# KiCad board manila_ice.kicad_pcb (continued)
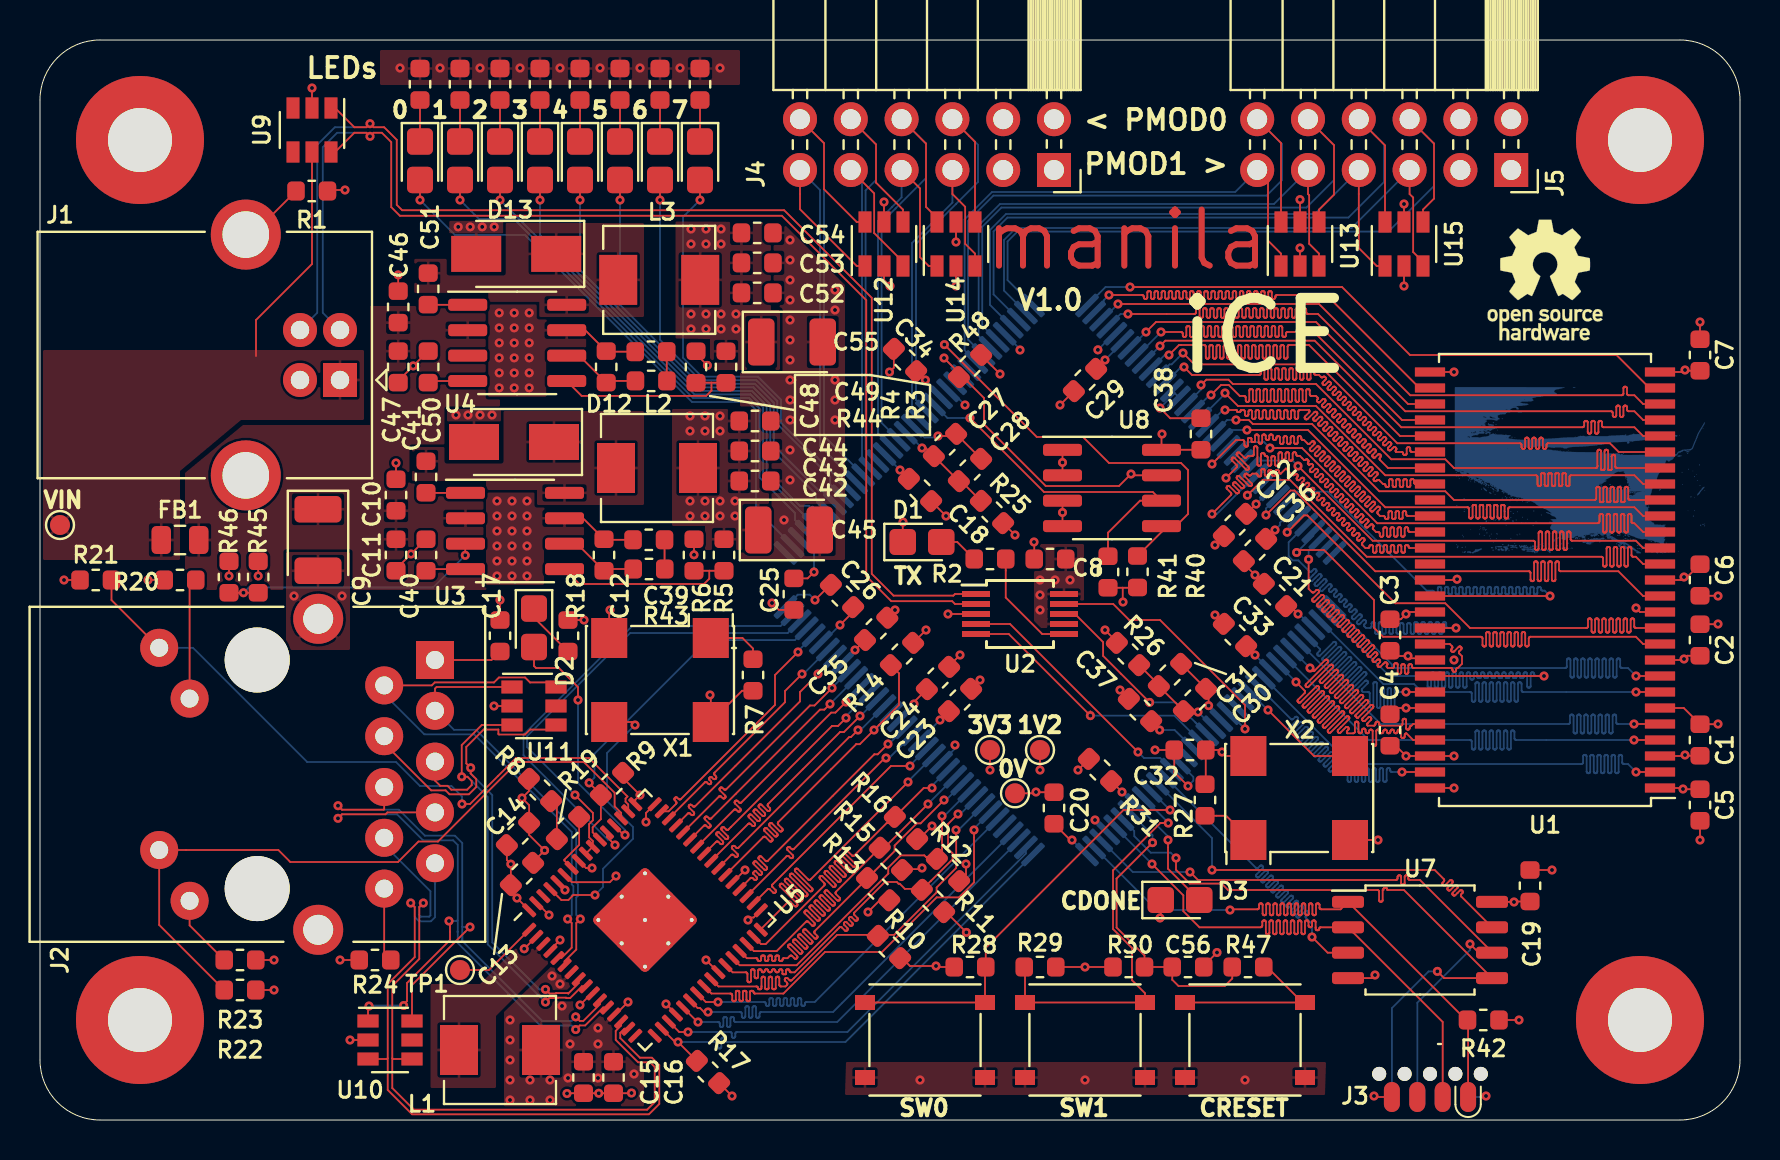
[diagram p0: board, top side]
## Routing (per net, layer and track width the routed paths; a pad name or vN(x,y) marks a point on that pad's centre or on a via; arc(x,y) is an arc through that point) (continued)
  Bottom w0.089: v1(58.6,12.5) 58.6,14.1 U6.62
/FPGA/RAM_UDQM: length 31.6
  Top w0.089: U1.39 68.5,28.6 68.48,28.6 68.47,28.61 68.46,28.62 68.44,28.63 68.44,28.64 68.43,28.66 68.43,28.69 68.42,28.7 68.41,28.72 68.4,28.73 68.39,28.74 68.37,28.74 68.36,28.74 68.32,28.74 68.31,28.74 68.29,28.74 68.28,28.73 68.27,28.72 68.26,28.7 68.25,28.69 68.25,28.67 68.25,28.6 68.25,28.6 68.25,28.45 68.24,28.43 68.24,28.41 68.23,28.39 68.21,28.38 68.2,28.37 68.18,28.36 68.16,28.36 68.14,28.36 68.12,28.37 68.1,28.38 68.09,28.39 68.08,28.41 68.07,28.43 68.07,28.45 68.07,28.67 68.07,28.69 68.06,28.7 68.05,28.72 68.04,28.73 68.03,28.74 68.01,28.74 68,28.74 67.96,28.74 67.95,28.74 67.93,28.74 67.92,28.73 67.91,28.72 67.9,28.7 67.89,28.69 67.89,28.67 67.89,28.45 67.89,28.43 67.88,28.41 67.87,28.39 67.86,28.38 67.84,28.37 67.82,28.36 67.8,28.36 67.78,28.36 67.76,28.37 67.75,28.38 67.73,28.39 67.72,28.41 67.72,28.43 67.71,28.45 67.71,28.67 67.71,28.69 67.71,28.7 67.7,28.72 67.69,28.73 67.67,28.74 67.66,28.74 67.64,28.74 67.61,28.74 67.59,28.74 67.58,28.74 67.56,28.73 67.55,28.72 67.54,28.7 67.54,28.69 67.54,28.67 67.54,28.45 67.53,28.43 67.53,28.41 67.52,28.39 67.5,28.38 67.49,28.37 67.47,28.36 67.45,28.36 67.43,28.36 67.41,28.37 67.39,28.38 67.38,28.39 67.37,28.41 67.36,28.43 67.36,28.45 67.36,28.67 67.36,28.69 67.35,28.7 67.34,28.72 67.33,28.73 67.32,28.74 67.3,28.74 67.29,28.74 67.25,28.74 67.24,28.74 67.22,28.74 67.21,28.73 67.2,28.72 67.19,28.7 67.18,28.69 67.18,28.67 67.18,28.45 67.18,28.43 67.17,28.41 67.16,28.39 67.15,28.38 67.13,28.37 67.11,28.36 67.09,28.36 67.07,28.36 67.05,28.37 67.04,28.38 67.02,28.39 67.01,28.41 67,28.43 67,28.45 67,28.67 67,28.69 67,28.7 66.99,28.72 66.98,28.73 66.96,28.74 66.95,28.74 66.93,28.74 66.9,28.74 66.88,28.74 66.87,28.74 66.85,28.73 66.84,28.72 66.83,28.7 66.83,28.69 66.82,28.67 66.82,28.45 66.82,28.43 66.82,28.41 66.81,28.39 66.79,28.38 66.77,28.37 66.76,28.36 66.74,28.36 66.72,28.36 66.7,28.37 66.68,28.38 66.67,28.39 66.66,28.41 66.65,28.43 66.65,28.45 66.65,28.67 66.65,28.69 66.64,28.7 66.63,28.72 66.62,28.73 66.61,28.74 66.59,28.74 66.58,28.74 66.54,28.74 66.52,28.74 66.51,28.74 66.5,28.73 66.48,28.72 66.48,28.7 66.47,28.69 66.47,28.66 66.46,28.64 66.45,28.63 66.44,28.62 66.43,28.61 66.41,28.6 66.4,28.6 66.27,28.6 66.12,28.74 66.11,28.76 66.1,28.77 66.1,28.79 66.1,28.81 66.1,28.83 66.11,28.85 66.12,28.87 66.21,28.95 66.22,28.96 66.23,28.98 66.23,29 66.23,29.02 66.23,29.04 66.22,29.06 66.21,29.07 66.19,29.09 66.17,29.1 66.15,29.1 66.13,29.1 66.11,29.1 66.1,29.09 66.08,29.07 66,28.99 65.98,28.98 65.97,28.97 65.95,28.97 65.93,28.97 65.91,28.97 65.89,28.98 65.87,28.99 65.86,29.01 65.85,29.03 65.85,29.05 65.85,29.07 65.85,29.09 65.86,29.1 65.87,29.12 65.95,29.2 65.97,29.22 65.98,29.23 65.98,29.25 65.98,29.27 65.98,29.29 65.97,29.31 65.95,29.33 65.94,29.34 65.92,29.35 65.9,29.35 65.88,29.35 65.86,29.35 65.84,29.34 65.83,29.33 65.75,29.24 65.73,29.23 65.71,29.22 65.69,29.22 65.67,29.22 65.66,29.22 65.64,29.23 65.62,29.24 65.61,29.26 65.6,29.28 65.6,29.3 65.6,29.32 65.6,29.34 65.61,29.35 65.62,29.37 65.7,29.45 65.72,29.47 65.72,29.48 65.73,29.5 65.73,29.52 65.72,29.54 65.72,29.56 65.7,29.58 65.69,29.59 65.67,29.6 65.65,29.6 65.63,29.6 65.61,29.6 65.59,29.59 65.58,29.58 65.5,29.5 65.48,29.48 65.46,29.47 65.44,29.47 65.42,29.47 65.4,29.47 65.39,29.48 65.37,29.5 65.36,29.51 65.35,29.53 65.34,29.55 65.34,29.57 65.35,29.59 65.36,29.61 65.37,29.62 65.45,29.7 65.46,29.72 65.47,29.74 65.48,29.76 65.48,29.78 65.47,29.79 65.46,29.81 65.45,29.83 65.44,29.84 65.42,29.85 65.4,29.85 65.38,29.85 65.36,29.85 65.34,29.84 65.33,29.83 65.24,29.75 65.23,29.73 65.21,29.73 65.19,29.72 65.17,29.72 65.15,29.73 65.13,29.73 65.12,29.75 65.11,29.76 65.1,29.78 65.09,29.8 65.09,29.82 65.1,29.84 65.11,29.86 65.12,29.87 65.2,29.95 65.21,29.97 65.22,29.99 65.23,30.01 65.23,30.03 65.22,30.05 65.21,30.06 65.2,30.08 65.18,30.09 65.17,30.1 65.15,30.11 65.13,30.11 65.11,30.1 65.09,30.09 65.07,30.08 64.99,30 64.98,29.99 64.96,29.98 64.94,29.97 64.92,29.97 64.9,29.98 64.88,29.99 64.87,30 64.85,30.01 64.85,30.03 64.84,30.05 64.84,30.07 64.85,30.09 64.85,30.11 64.87,30.12 64.95,30.21 64.96,30.22 64.97,30.24 64.97,30.26 64.97,30.28 64.97,30.3 64.96,30.32 64.95,30.33 64.93,30.34 64.92,30.35 64.9,30.36 64.88,30.36 64.86,30.35 64.84,30.34 64.82,30.33 64.74,30.25 64.73,30.24 64.71,30.23 64.69,30.22 64.67,30.22 64.65,30.23 64.63,30.24 64.62,30.25 64.6,30.27 64.59,30.28 64.59,30.3 64.59,30.32 64.59,30.34 64.6,30.36 64.62,30.38 64.7,30.46 64.71,30.47 64.72,30.49 64.72,30.51 64.72,30.53 64.72,30.55 64.71,30.57 64.7,30.58 64.68,30.6 64.66,30.6 64.64,30.61 64.62,30.61 64.6,30.6 64.59,30.6 64.57,30.58 64.49,30.5 64.47,30.49 64.46,30.48 64.44,30.48 64.42,30.48 64.4,30.48 64.38,30.49 64.36,30.5 64.35,30.52 64.34,30.54 64.34,30.55 64.34,30.57 64.34,30.59 64.35,30.61 64.36,30.63 64.45,30.71 64.46,30.72 64.47,30.74 64.47,30.76 64.47,30.78 64.47,30.8 64.46,30.82 64.45,30.83 64.43,30.85 64.41,30.86 64.39,30.86 64.37,30.86 64.35,30.86 64.34,30.85 64.32,30.83 64.24,30.75 64.22,30.74 64.21,30.73 64.19,30.73 64.17,30.73 64.15,30.73 64.13,30.74 64.11,30.75 64.1,30.77 64.09,30.79 64.09,30.81 64.09,30.83 64.09,30.85 64.1,30.86 64.11,30.88 64.19,30.96 64.21,30.98 64.22,30.99 64.22,31.01 64.22,31.03 64.22,31.05 64.21,31.07 64.19,31.09 64.18,31.1 64.16,31.11 64.14,31.11 64.12,31.11 64.1,31.11 64.08,31.1 64.07,31.09 63.99,31 63.97,30.99 63.95,30.98 63.93,30.98 63.91,30.98 63.9,30.98 63.88,30.99 63.86,31 63.85,31.02 63.84,31.04 63.84,31.06 63.84,31.08 63.84,31.1 63.85,31.11 63.86,31.13 63.94,31.21 63.96,31.23 63.96,31.24 63.97,31.26 63.97,31.28 63.96,31.3 63.96,31.32 63.94,31.34 63.93,31.35 63.91,31.36 63.89,31.36 63.87,31.36 63.85,31.36 63.83,31.35 63.82,31.34 63.74,31.26 63.72,31.24 63.7,31.23 63.68,31.23 63.66,31.23 63.64,31.23 63.63,31.24 63.61,31.26 63.6,31.27 63.59,31.29 63.58,31.31 63.58,31.33 63.59,31.35 63.6,31.37 63.61,31.38 63.69,31.46 63.7,31.48 63.71,31.5 63.72,31.52 63.72,31.54 63.71,31.55 63.7,31.57 63.69,31.59 63.68,31.6 63.66,31.61 63.64,31.61 63.62,31.61 63.6,31.61 63.58,31.6 63.57,31.59 63.48,31.51 63.47,31.49 63.45,31.49 63.43,31.48 63.41,31.48 63.39,31.49 63.37,31.49 63.36,31.51 63.35,31.52 63.34,31.54 63.33,31.56 63.33,31.58 63.34,31.6 63.35,31.62 63.36,31.63 63.44,31.71 63.45,31.73 63.46,31.75 63.47,31.77 63.47,31.79 63.46,31.81 63.45,31.82 63.44,31.84 63.42,31.85 63.41,31.86 63.39,31.87 63.37,31.87 63.35,31.86 63.33,31.85 63.31,31.84 63.23,31.76 63.22,31.75 63.2,31.74 63.18,31.73 63.16,31.73 63.14,31.74 63.12,31.75 63.11,31.76 63.09,31.77 63.09,31.79 63.08,31.81 63.08,31.83 63.09,31.85 63.09,31.87 63.11,31.88 63.19,31.97 63.2,31.98 63.21,32 63.21,32.02 63.21,32.04 63.21,32.06 63.2,32.08 63.19,32.09 63.17,32.1 63.15,32.11 63.14,32.12 63.12,32.12 63.1,32.11 63.08,32.1 63.06,32.09 62.98,32.01 62.97,32 62.95,31.99 62.93,31.98 62.91,31.98 62.89,31.99 62.87,32 62.86,32.01 62.84,32.03 62.83,32.04 62.83,32.06 62.83,32.08 62.83,32.1 62.84,32.12 62.86,32.14 62.87,32.15 62.88,32.16 62.89,32.18 62.89,32.2 62.89,32.22 62.89,32.24 62.88,32.26 62.87,32.27 62.85,32.28 62.83,32.29 62.81,32.3 62.79,32.3 62.77,32.29 62.76,32.28 62.74,32.27 62.73,32.26 62.71,32.25 62.7,32.24 62.68,32.24 62.66,32.24 62.64,32.24 62.62,32.25 62.6,32.26 62.29,32.57 62.04,32.32 62.02,32.32 62,32.33 61.98,32.34 61.97,32.35 61.96,32.37 61.95,32.39 61.95,32.41 61.95,32.42 61.95,32.44 61.94,32.46 61.93,32.48 61.92,32.49 61.9,32.5 61.88,32.51 61.86,32.51 61.84,32.51 61.82,32.5 61.8,32.49 61.79,32.48 61.78,32.46 61.77,32.44 61.77,32.42 61.77,32.27 61.77,32.26 61.77,32.25 61.76,32.24 61.75,32.23 61.74,32.22 61.73,32.22 61.72,32.22 61.64,32.22 61.63,32.22 61.62,32.22 61.61,32.23 61.6,32.24 61.6,32.25 61.59,32.26 61.59,32.27 61.59,32.42 61.59,32.44 61.58,32.46 61.57,32.48 61.56,32.49 61.54,32.5 61.52,32.51 61.5,32.51 61.48,32.51 61.47,32.5 61.45,32.49 61.43,32.48 61.42,32.46 61.42,32.44 61.42,32.42 61.42,32.27 61.41,32.26 61.41,32.25 61.4,32.24 61.4,32.23 61.39,32.22 61.38,32.22 61.37,32.22 61.29,32.22 61.28,32.22 61.27,32.22 61.26,32.23 61.25,32.24 61.24,32.25 61.24,32.26 61.24,32.27 61.24,32.47 61.24,32.49 61.23,32.51 61.22,32.53 61.2,32.54 61.19,32.55 61.17,32.56 61.15,32.56 61.13,32.56 61.11,32.55 61.09,32.54 61.08,32.53 61.07,32.51 61.06,32.49 61.06,32.47 61.06,32.25 61.06,32.23 61.05,32.22 61.04,32.2 61.03,32.19 61.02,32.18 61,32.18 60.99,32.18 60.95,32.18 60.94,32.18 60.92,32.18 60.91,32.19 60.9,32.2 60.89,32.22 60.88,32.23 60.88,32.26 60.88,32.28 60.87,32.29 60.86,32.3 60.84,32.31 60.83,32.32 60.81,32.32 60.62,32.32 60.55,32.25 60.53,32.23 60.51,32.23 60.49,32.22 60.47,32.22 60.45,32.23 60.44,32.23 60.42,32.25 60.38,32.29 60.36,32.31 60.34,32.31 60.32,32.32 60.3,32.32 60.28,32.31 60.27,32.31 60.25,32.29 60.24,32.28 60.23,32.26 60.22,32.24 60.22,32.22 60.23,32.2 60.24,32.18 60.25,32.17 60.57,31.84 60.59,31.83 60.59,31.81 60.6,31.79 60.6,31.77 60.59,31.75 60.59,31.73 60.57,31.72 60.56,31.71 60.54,31.7 60.52,31.69 60.5,31.69 60.48,31.7 60.46,31.71 60.45,31.72 59.98,32.18 59.97,32.2 59.95,32.2 59.93,32.21 59.91,32.21 59.89,32.2 59.87,32.2 59.86,32.18 59.84,32.17 59.84,32.15 59.83,32.13 59.83,32.11 59.84,32.09 59.84,32.07 59.86,32.06 60.18,31.73 60.19,31.72 60.2,31.7 60.21,31.68 60.21,31.66 60.2,31.64 60.19,31.62 60.18,31.61 60.16,31.6 60.15,31.59 60.13,31.58 60.11,31.58 60.09,31.59 60.07,31.6 60.05,31.61 59.8,31.86 59.79,31.87 59.77,31.88 59.75,31.89 59.73,31.89 59.71,31.88 59.69,31.87 59.68,31.86 59.66,31.85 59.66,31.83 59.65,31.81 59.65,31.79 59.66,31.77 59.66,31.75 59.68,31.73 59.93,31.48 59.94,31.47 59.95,31.45 59.95,31.43 59.95,31.41 59.95,31.39 59.94,31.37 59.93,31.36 59.91,31.34 59.9,31.34 59.88,31.33 59.86,31.33 59.84,31.34 59.82,31.34 59.8,31.36 59.48,31.68 59.46,31.69 59.45,31.7 59.43,31.71 59.41,31.71 59.39,31.7 59.37,31.69 59.35,31.68 59.34,31.66 59.33,31.65 59.33,31.63 59.33,31.61 59.33,31.59 59.34,31.57 59.35,31.55 59.54,31.37 59.55,31.35 59.56,31.33 59.57,31.31 59.57,31.29 59.56,31.27 59.55,31.26 59.54,31.24 v1(58.6,30.3)
  Bottom w0.089: v1(58.6,30.3) 58.84,30.3 60.19,31.65 60.25,31.65 U6.25 61.21,32.62
/FPGA/SCK: length 33.2
  Top w0.089: v1(71.5,8.8) 71.94,8.36 U7.6 ; U7.6 72.6,8.4 69,12 68.5,12 68.48,12 68.46,12.01 68.44,12.02 68.43,12.03 68.42,12.05 68.41,12.07 68.41,12.09 68.41,12.15 68.41,12.17 68.4,12.19 68.39,12.2 68.38,12.22 68.36,12.23 68.34,12.23 68.32,12.24 68.3,12.23 68.28,12.23 68.27,12.22 68.25,12.2 68.24,12.19 68.24,12.17 68.23,12.15 68.23,11.85 68.23,11.83 68.22,11.81 68.21,11.8 68.2,11.78 68.18,11.77 68.16,11.77 68.14,11.76 68.12,11.77 68.11,11.77 68.09,11.78 68.07,11.8 68.06,11.81 68.06,11.83 68.06,11.85 68.06,12.15 68.05,12.17 68.05,12.19 68.04,12.2 68.02,12.22 68.01,12.23 67.99,12.23 67.97,12.24 67.95,12.23 67.93,12.23 67.91,12.22 67.9,12.2 67.89,12.19 67.88,12.17 67.88,12.15 67.88,12.09 67.88,12.07 67.87,12.05 67.86,12.03 67.84,12.02 67.83,12.01 67.81,12 67.79,12 57.9,12 v1(57.5,12.4) ; U7.6 72.48,8.25
  Bottom w0.089: v1(71.5,8.8) 71.5,8.5 68.86,5.86 68.86,1.15 ; v1(57.5,12.4) 54.64,12.4 U6.70
/FPGA/UART_CTS: length 13.6
  Top w0.089: 52.52,20.43 v1(52.52,20.22) 48.44,24.3 U2.5
  Bottom w0.089: v1(52.52,20.22) 56.72,20.22 U6.56
/FPGA/UART_RX: length 10.9
  Top w0.089: v1(55.48,20.88) 53.16,23.21 53.16,23.89 51.75,25.3 U2.8
  Bottom w0.089: v1(55.48,20.88) 56.77,20.88 U6.55 57.77,19.88
/FPGA/~{CRESET}: length 15.6
  Top w0.089: 55.5,14 55.63,13.87 v1(55.63,13.87) 53.83,12.07 53.83,9.62 55.23,8.22 R30.2 C56.1 56.61,7.01 56.92,6.7 59.24,6.7 59.61,7.08 R47.1
  Bottom w0.089: v1(55.63,13.87) 55.63,14.24 U6.66
/FPGA/~{CS}: length 35.2
  Top w0.089: v1(59.5,10.5) 59.53,10.53 60.87,10.53 60.89,10.54 60.9,10.54 60.92,10.55 60.93,10.57 60.95,10.58 60.95,10.6 60.95,10.62 60.95,10.75 60.96,10.77 60.96,10.78 60.97,10.8 60.99,10.81 61,10.83 61.02,10.83 61.04,10.83 61.06,10.83 61.08,10.83 61.1,10.81 61.11,10.8 61.12,10.78 61.13,10.77 61.13,10.75 61.13,10.32 61.13,10.3 61.14,10.28 61.15,10.27 61.17,10.25 61.18,10.24 61.2,10.24 61.22,10.23 61.24,10.24 61.26,10.24 61.28,10.25 61.29,10.27 61.3,10.28 61.31,10.3 61.31,10.32 61.31,10.75 61.31,10.77 61.32,10.78 61.33,10.8 61.34,10.81 61.36,10.83 61.38,10.83 61.4,10.83 61.42,10.83 61.44,10.83 61.45,10.81 61.47,10.8 61.48,10.78 61.49,10.77 61.49,10.75 61.49,10.32 61.49,10.3 61.5,10.28 61.51,10.27 61.52,10.25 61.54,10.24 61.56,10.24 61.58,10.23 61.6,10.24 61.62,10.24 61.63,10.25 61.65,10.27 61.66,10.28 61.66,10.3 61.67,10.32 61.67,10.75 61.67,10.77 61.67,10.78 61.68,10.8 61.7,10.81 61.72,10.83 61.73,10.83 61.75,10.83 61.77,10.83 61.79,10.83 61.81,10.81 61.82,10.8 61.83,10.78 61.84,10.77 61.84,10.75 61.84,10.32 61.85,10.3 61.85,10.28 61.86,10.27 61.88,10.25 61.89,10.24 61.91,10.24 61.93,10.23 61.95,10.24 61.97,10.24 61.99,10.25 62,10.27 62.01,10.28 62.02,10.3 62.02,10.32 62.02,10.75 62.02,10.77 62.03,10.78 62.04,10.8 62.05,10.81 62.07,10.83 62.09,10.83 62.11,10.83 62.13,10.83 62.15,10.83 62.17,10.81 62.18,10.8 62.19,10.78 62.2,10.77 62.2,10.75 62.2,10.32 62.2,10.3 62.21,10.28 62.22,10.27 62.23,10.25 62.25,10.24 62.27,10.24 62.29,10.23 62.31,10.24 62.33,10.24 62.34,10.25 62.36,10.27 62.37,10.28 62.37,10.3 62.38,10.32 62.38,10.75 62.38,10.77 62.39,10.78 62.4,10.8 62.41,10.81 62.43,10.83 62.45,10.83 62.47,10.83 62.49,10.83 62.5,10.83 62.52,10.81 62.54,10.8 62.55,10.78 62.55,10.77 62.55,10.75 62.55,10.32 62.56,10.3 62.56,10.28 62.57,10.27 62.59,10.25 62.6,10.24 62.62,10.24 62.64,10.23 62.66,10.24 62.68,10.24 62.7,10.25 62.71,10.27 62.72,10.28 62.73,10.3 62.73,10.32 62.73,10.75 62.73,10.77 62.74,10.78 62.75,10.8 62.77,10.81 62.78,10.83 62.8,10.83 62.82,10.83 62.84,10.83 62.86,10.83 62.88,10.81 62.89,10.8 62.9,10.78 62.91,10.77 62.91,10.75 62.91,10.32 62.91,10.3 62.92,10.28 62.93,10.27 62.94,10.25 62.96,10.24 62.98,10.24 63,10.23 63.02,10.24 63.04,10.24 63.05,10.25 63.07,10.27 63.08,10.28 63.09,10.3 63.09,10.32 63.09,10.75 63.09,10.77 63.1,10.78 63.11,10.8 63.12,10.81 63.14,10.83 63.16,10.83 63.18,10.83 63.2,10.83 63.22,10.83 63.23,10.81 63.25,10.8 63.26,10.78 63.26,10.77 63.27,10.75 63.27,10.32 63.27,10.3 63.27,10.28 63.29,10.27 63.3,10.25 63.32,10.24 63.33,10.24 63.35,10.23 63.37,10.24 63.39,10.24 63.41,10.25 63.42,10.27 63.43,10.28 63.44,10.3 63.44,10.32 63.44,10.75 63.45,10.77 63.45,10.78 63.46,10.8 63.48,10.81 63.49,10.83 63.51,10.83 63.53,10.83 63.55,10.83 63.57,10.83 63.59,10.81 63.6,10.8 63.61,10.78 63.62,10.77 63.62,10.75 63.62,10.32 63.62,10.3 63.63,10.28 63.64,10.27 63.65,10.25 63.67,10.24 63.69,10.24 63.71,10.23 63.73,10.24 63.75,10.24 63.77,10.25 63.78,10.27 63.79,10.28 63.8,10.3 63.8,10.32 63.8,10.75 63.8,10.77 63.81,10.78 63.82,10.8 63.83,10.81 63.85,10.83 63.87,10.83 63.89,10.83 63.91,10.83 63.93,10.83 63.94,10.81 63.96,10.8 63.97,10.78 63.97,10.77 63.98,10.75 63.98,10.62 63.98,10.6 63.99,10.58 64,10.57 64.01,10.55 64.03,10.54 64.05,10.54 64.07,10.53 65.03,10.53 U7.1 71.41,4.9 J3.1
  Bottom w0.089: v1(59.5,10.5) 55.83,10.5 U6.71
/FPGA/~{ETH_PHYRST}: length 18.8
  Top w0.089: R14.1 42.95,22.34 42.95,20.75 v1(41.7,19.5) 40.99,18.79 40.81,18.79 36.91,14.9 36.9,14.88 36.89,14.86 36.89,14.84 36.89,14.82 36.89,14.8 36.9,14.79 36.91,14.77 37.11,14.58 37.12,14.56 37.13,14.54 37.13,14.52 37.13,14.5 37.13,14.48 37.12,14.47 37.11,14.45 37.09,14.44 37.07,14.43 37.05,14.42 37.03,14.42 37.01,14.43 37,14.44 36.98,14.45 36.61,14.82 36.59,14.83 36.58,14.84 36.56,14.85 36.54,14.85 36.52,14.84 36.5,14.83 36.48,14.82 36.47,14.81 36.46,14.79 36.46,14.77 36.46,14.75 36.46,14.73 36.47,14.71 36.48,14.7 36.86,14.32 36.87,14.31 36.88,14.29 36.88,14.27 36.88,14.25 36.88,14.23 36.87,14.21 36.86,14.2 36.84,14.19 36.82,14.18 36.8,14.17 36.78,14.17 36.76,14.18 36.75,14.19 36.73,14.2 36.36,14.57 36.34,14.58 36.32,14.59 36.31,14.6 36.29,14.6 36.27,14.59 36.25,14.58 36.23,14.57 36.22,14.55 36.21,14.54 36.21,14.52 36.21,14.5 36.21,14.48 36.22,14.46 36.23,14.44 36.6,14.07 36.62,14.06 36.63,14.04 36.63,14.02 36.63,14 36.63,13.98 36.62,13.96 36.6,13.95 36.59,13.94 36.57,13.93 36.55,13.92 36.53,13.92 36.51,13.93 36.49,13.94 36.48,13.95 36.28,14.14 36.27,14.15 36.25,14.16 36.23,14.17 36.21,14.17 36.19,14.16 36.17,14.15 36.16,14.14 U5.38
  Bottom w0.089: U6.93 41.73,19.5 v1(41.7,19.5)
/FPGA/~{ETH_PME_INT}: length 23.6
  Top w0.089: v1(26.75,16.25) 27.64,15.36 27.64,14.98 27.46,14.8 27.46,14.13 27.64,13.94 U5.55 U5.56
  Bottom w0.089: U6.106 37.39,24.35 29.51,24.35 24.35,19.19 24.35,18.65 v1(26.75,16.25)
/FPGA/~{RAM_RAS}: length 31.6
  Top w0.089: v1(60.35,34.5) 63.4,34.5 67.26,30.64 71.36,30.64 71.38,30.64 71.4,30.63 71.42,30.62 71.43,30.6 71.44,30.59 71.45,30.57 71.45,30.55 71.45,30.16 71.45,30.14 71.46,30.12 71.47,30.11 71.48,30.09 71.5,30.08 71.52,30.07 71.54,30.07 71.56,30.07 71.58,30.08 71.6,30.09 71.61,30.11 71.62,30.12 71.63,30.14 71.63,30.16 71.63,30.7 71.63,30.71 71.63,30.72 71.64,30.73 71.65,30.74 71.66,30.75 71.67,30.75 71.69,30.75 71.75,30.75 71.76,30.75 71.77,30.75 71.79,30.74 71.79,30.73 71.8,30.72 71.81,30.71 71.81,30.7 71.81,30.16 71.81,30.14 71.82,30.12 71.83,30.11 71.84,30.09 71.86,30.08 71.88,30.07 71.9,30.07 71.92,30.07 71.93,30.08 71.95,30.09 71.97,30.11 71.98,30.12 71.98,30.14 71.98,30.16 71.98,30.7 71.99,30.71 71.99,30.72 72,30.73 72.01,30.74 72.02,30.75 72.03,30.75 72.04,30.75 72.1,30.75 72.12,30.75 72.13,30.75 72.14,30.74 72.15,30.73 72.16,30.72 72.16,30.71 72.16,30.7 72.16,30.16 72.16,30.14 72.17,30.12 72.18,30.11 72.2,30.09 72.21,30.08 72.23,30.07 72.25,30.07 72.27,30.07 72.29,30.08 72.31,30.09 72.32,30.11 72.33,30.12 72.34,30.14 72.34,30.16 72.34,30.7 72.34,30.71 72.35,30.72 72.35,30.73 72.36,30.74 72.37,30.75 72.39,30.75 72.4,30.75 72.46,30.75 72.47,30.75 72.49,30.75 72.5,30.74 72.51,30.73 72.51,30.72 72.52,30.71 72.52,30.7 72.52,30.16 72.52,30.14 72.53,30.12 72.54,30.11 72.55,30.09 72.57,30.08 72.59,30.07 72.61,30.07 72.63,30.07 72.65,30.08 72.66,30.09 72.68,30.11 72.69,30.12 72.69,30.14 72.7,30.16 72.7,30.7 72.7,30.71 72.7,30.72 72.71,30.73 72.72,30.74 72.73,30.75 72.74,30.75 72.75,30.75 72.82,30.75 72.83,30.75 72.84,30.75 72.85,30.74 72.86,30.73 72.87,30.72 72.87,30.71 72.87,30.7 72.87,30.16 72.88,30.14 72.88,30.12 72.89,30.11 72.91,30.09 72.92,30.08 72.94,30.07 72.96,30.07 72.98,30.07 73,30.08 73.02,30.09 73.03,30.11 73.04,30.12 73.05,30.14 73.05,30.16 73.05,30.7 73.05,30.71 73.06,30.72 73.06,30.73 73.07,30.74 73.08,30.75 73.1,30.75 73.11,30.75 73.17,30.75 73.18,30.75 73.2,30.75 73.21,30.74 73.22,30.73 73.22,30.72 73.23,30.71 73.23,30.7 73.23,30.16 73.23,30.14 73.24,30.12 73.25,30.11 73.26,30.09 73.28,30.08 73.3,30.07 73.32,30.07 73.34,30.07 73.36,30.08 73.37,30.09 73.39,30.11 73.4,30.12 73.4,30.14 73.41,30.16 73.41,30.55 73.41,30.57 73.42,30.59 73.43,30.6 73.44,30.62 73.46,30.63 73.48,30.64 73.5,30.64 79.72,30.64 80.16,30.2 U1.18
  Bottom w0.089: v1(60.35,34.5) 59.56,34.5 U6.20 59.46,34.4
/FPGA/~{RAM_WE}: length 31
  Top w0.089: v1(62.9,32.7) 66.64,28.96 74.66,28.96 74.68,28.96 74.7,28.95 74.72,28.94 74.73,28.93 74.74,28.91 74.75,28.89 74.75,28.87 74.75,28.58 74.75,28.56 74.76,28.54 74.77,28.53 74.78,28.51 74.8,28.5 74.82,28.5 74.84,28.49 74.86,28.5 74.88,28.5 74.9,28.51 74.91,28.53 74.92,28.54 74.93,28.56 74.93,28.58 74.93,29.34 74.93,29.36 74.94,29.38 74.95,29.4 74.96,29.41 74.98,29.42 75,29.43 75.02,29.43 75.04,29.43 75.06,29.42 75.07,29.41 75.09,29.4 75.1,29.38 75.1,29.36 75.11,29.34 75.11,28.58 75.11,28.56 75.12,28.54 75.13,28.53 75.14,28.51 75.16,28.5 75.18,28.5 75.2,28.49 75.22,28.5 75.23,28.5 75.25,28.51 75.27,28.53 75.28,28.54 75.28,28.56 75.28,28.58 75.28,29.34 75.29,29.36 75.29,29.38 75.3,29.4 75.32,29.41 75.33,29.42 75.35,29.43 75.37,29.43 75.39,29.43 75.41,29.42 75.43,29.41 75.44,29.4 75.45,29.38 75.46,29.36 75.46,29.34 75.46,28.58 75.46,28.56 75.47,28.54 75.48,28.53 75.5,28.51 75.51,28.5 75.53,28.5 75.55,28.49 75.57,28.5 75.59,28.5 75.61,28.51 75.62,28.53 75.63,28.54 75.64,28.56 75.64,28.58 75.64,29.34 75.64,29.36 75.65,29.38 75.66,29.4 75.67,29.41 75.69,29.42 75.71,29.43 75.73,29.43 75.75,29.43 75.77,29.42 75.78,29.41 75.8,29.4 75.81,29.38 75.82,29.36 75.82,29.34 75.82,28.58 75.82,28.56 75.83,28.54 75.84,28.53 75.85,28.51 75.87,28.5 75.89,28.5 75.91,28.49 75.93,28.5 75.95,28.5 75.96,28.51 75.98,28.53 75.99,28.54 75.99,28.56 76,28.58 76,29.34 76,29.36 76,29.38 76.02,29.4 76.03,29.41 76.05,29.42 76.06,29.43 76.08,29.43 76.1,29.43 76.12,29.42 76.14,29.41 76.15,29.4 76.16,29.38 76.17,29.36 76.17,29.34 76.17,28.58 76.18,28.56 76.18,28.54 76.19,28.53 76.21,28.51 76.22,28.5 76.24,28.5 76.26,28.49 76.28,28.5 76.3,28.5 76.32,28.51 76.33,28.53 76.34,28.54 76.35,28.56 76.35,28.58 76.35,29.34 76.35,29.36 76.36,29.38 76.37,29.4 76.38,29.41 76.4,29.42 76.42,29.43 76.44,29.43 76.46,29.43 76.48,29.42 76.5,29.41 76.51,29.4 76.52,29.38 76.53,29.36 76.53,29.34 76.53,29.05 76.53,29.03 76.54,29.01 76.55,29 76.56,28.98 76.58,28.97 76.6,28.96 76.62,28.96 79.79,28.96 80.16,28.6 U1.16
  Bottom w0.089: v1(62.9,32.7) 62.63,32.97 60.86,32.97 U6.24
/FPGA/~{UART_RTS}: length 12.8
  Top w0.089: U2.4 48.5,24.8 v1(54.9,18.4)
  Bottom w0.089: v1(54.9,18.4) 55.2,18.1 56.01,18.1 U6.60
/PMODA/DATA0: length 23.2
  Top w0.089: U12.1 40.84,42.7 38,45.54 J4.11
  Bottom w0.089: U6.119 39,33.7 39,46.5 J4.11
/PMODA/DATA1: length 25.8
  Top w0.089: J4.12 39.2,48.84 39.2,46.54 40.84,44.9 U12.6
  Bottom w0.089: J4.12 39.2,48.84 39.2,34.2 U6.120
/PMODA/DATA2: length 21.2
  Top w0.089: J4.9 41.71,46.33 41.71,44.35 43.15,42.91 U12.3
  Bottom w0.089: J4.9 41.1,46.94 41.1,33.01 U6.121
/PMODA/DATA3: length 24.3
  Top w0.089: J4.10 41.8,48.78 41.8,46.87 43.15,45.52 U12.4
  Bottom w0.089: J4.10 41.8,48.78 41.8,47 41.28,46.48 41.28,33.54 U6.122
/PMODA/DATA4: length 20.4
  Top w0.089: J4.7 44,46.58 44,43.14 44.44,42.7 U14.1
  Bottom w0.089: J4.7 43.08,46.13 42.6,45.65 42.6,45.65 41.9,44.95 41.9,34.33 U6.124
/PMODA/DATA5: length 23.7
  Top w0.089: J4.8 44.3,48.82 44.3,45.66 44.85,45.11 U14.6
  Bottom w0.089: J4.8 44.3,48.82 44.3,47.1 42.78,45.58 42.78,45.58 42.08,44.88 42.08,34.86 U6.125
/PMODA/DATA6: length 18.7
  Top w0.089: U14.3 46.75,43.32 46.26,43.81 46.26,45.66 45.62,46.3 J4.5
  Bottom w0.089: J4.5 45.62,45.87 43.6,43.85 43.6,35.46 U6.128
/PMODA/DATA7: length 22.3
  Top w0.089: J4.6 46.75,48.91 U14.4
  Bottom w0.089: J4.6 46.9,48.76 46.9,46.9 45.8,45.8 45.8,45.8 43.8,43.8 43.8,36 44.34,35.46 U6.129
/PMODB/DATA0: length 28.3
  Top w0.089: U13.1 62.05,43.32 61.4,43.97 61.4,46.96 J5.11
  Bottom w0.089: J5.11 59.76,46.4 47.6,46.4 46.23,45.03 46.23,38.49 U6.136
/PMODB/DATA1: length 32.8
  Top w0.089: J5.12 62.05,48.85 U13.6
  Bottom w0.089: J5.12 62.1,48.8 62.1,46.99 61.33,46.22 47.67,46.22 46.4,44.95 46.4,39.02 U6.137
/PMODB/DATA2: length 29
  Top w0.089: U13.3 63.95,43.32 63.46,43.81 63.46,46.24 63.4,46.3 J5.9
  Bottom w0.089: J5.9 61.7,45.8 48,45.8 46.93,44.73 46.93,39.2 U6.138
/PMODB/DATA3: length 34.1
  Top w0.089: J5.10 64.7,48.74 64.7,46.27 63.95,45.52 U13.4
  Bottom w0.089: J5.10 64.7,48.74 64.7,47 63.32,45.62 48.07,45.62 47.11,44.66 47.11,39.73 U6.139
/PMODB/DATA4: length 30.6
  Top w0.089: U15.1 66.84,42.7 65.94,43.6 J5.7
  Bottom w0.089: J5.7 63.74,45.3 48.3,45.3 47.5,44.5 47.5,40.75 U6.141
/PMODB/DATA5: length 34.8
  Top w0.089: J5.8 67.25,48.73 U15.6
  Bottom w0.089: J5.8 67.2,48.78 67.2,46.9 65.42,45.12 48.37,45.12 47.68,44.43 47.68,41.28 U6.142
/PMODB/DATA6: length 30.9
  Top w0.089: J5.5 68.48,46.3 68.66,46.12 68.66,43.4 69.15,42.91 U15.3
  Bottom w0.089: J5.5 65.58,44.6 48.8,44.6 48.2,44 48.2,41.47 U6.143
/PMODB/DATA7: length 35.9
  Top w0.089: J5.6 69.7,48.82 69.7,46.07 69.15,45.52 U15.4
  Bottom w0.089: U6.144 48.38,42 48.38,43.93 48.87,44.42 67.42,44.42 69.7,46.7 69.7,48.82 J5.6
/SDRAM/ADDRESS0: length 31
  Top w0.089: U1.23 80.16,34.2 79.72,34.64 78.19,34.64 78.17,34.64 78.15,34.65 78.13,34.66 78.12,34.67 78.11,34.69 78.1,34.71 78.1,34.73 78.1,34.87 78.1,34.89 78.09,34.91 78.08,34.93 78.07,34.94 78.05,34.95 78.03,34.96 78.01,34.96 77.99,34.96 77.97,34.95 77.95,34.94 77.94,34.93 77.93,34.91 77.92,34.89 77.92,34.87 77.92,34.4 77.92,34.38 77.91,34.37 77.9,34.35 77.89,34.33 77.87,34.32 77.85,34.32 77.83,34.31 77.81,34.32 77.79,34.32 77.78,34.33 77.76,34.35 77.75,34.37 77.75,34.38 77.74,34.4 77.74,34.87 77.74,34.89 77.73,34.91 77.72,34.93 77.71,34.94 77.69,34.95 77.67,34.96 77.65,34.96 77.63,34.96 77.62,34.95 77.6,34.94 77.58,34.93 77.57,34.91 77.57,34.89 77.57,34.87 77.57,34.4 77.56,34.38 77.56,34.37 77.55,34.35 77.53,34.33 77.52,34.32 77.5,34.32 77.48,34.31 77.46,34.32 77.44,34.32 77.42,34.33 77.41,34.35 77.4,34.37 77.39,34.38 77.39,34.4 77.39,34.87 77.39,34.89 77.38,34.91 77.37,34.93 77.35,34.94 77.34,34.95 77.32,34.96 77.3,34.96 77.28,34.96 77.26,34.95 77.24,34.94 77.23,34.93 77.22,34.91 77.21,34.89 77.21,34.87 77.21,34.73 77.21,34.71 77.2,34.69 77.19,34.67 77.18,34.66 77.16,34.65 77.14,34.64 77.12,34.64 68.06,34.64 63.74,38.96 56.26,38.96 v1(56,38.7)
  Bottom w0.089: v1(56,38.7) 55.2,37.9 U6.9
